# Altium PCB PCB.PcbDoc (part 10 of 11) (continued)
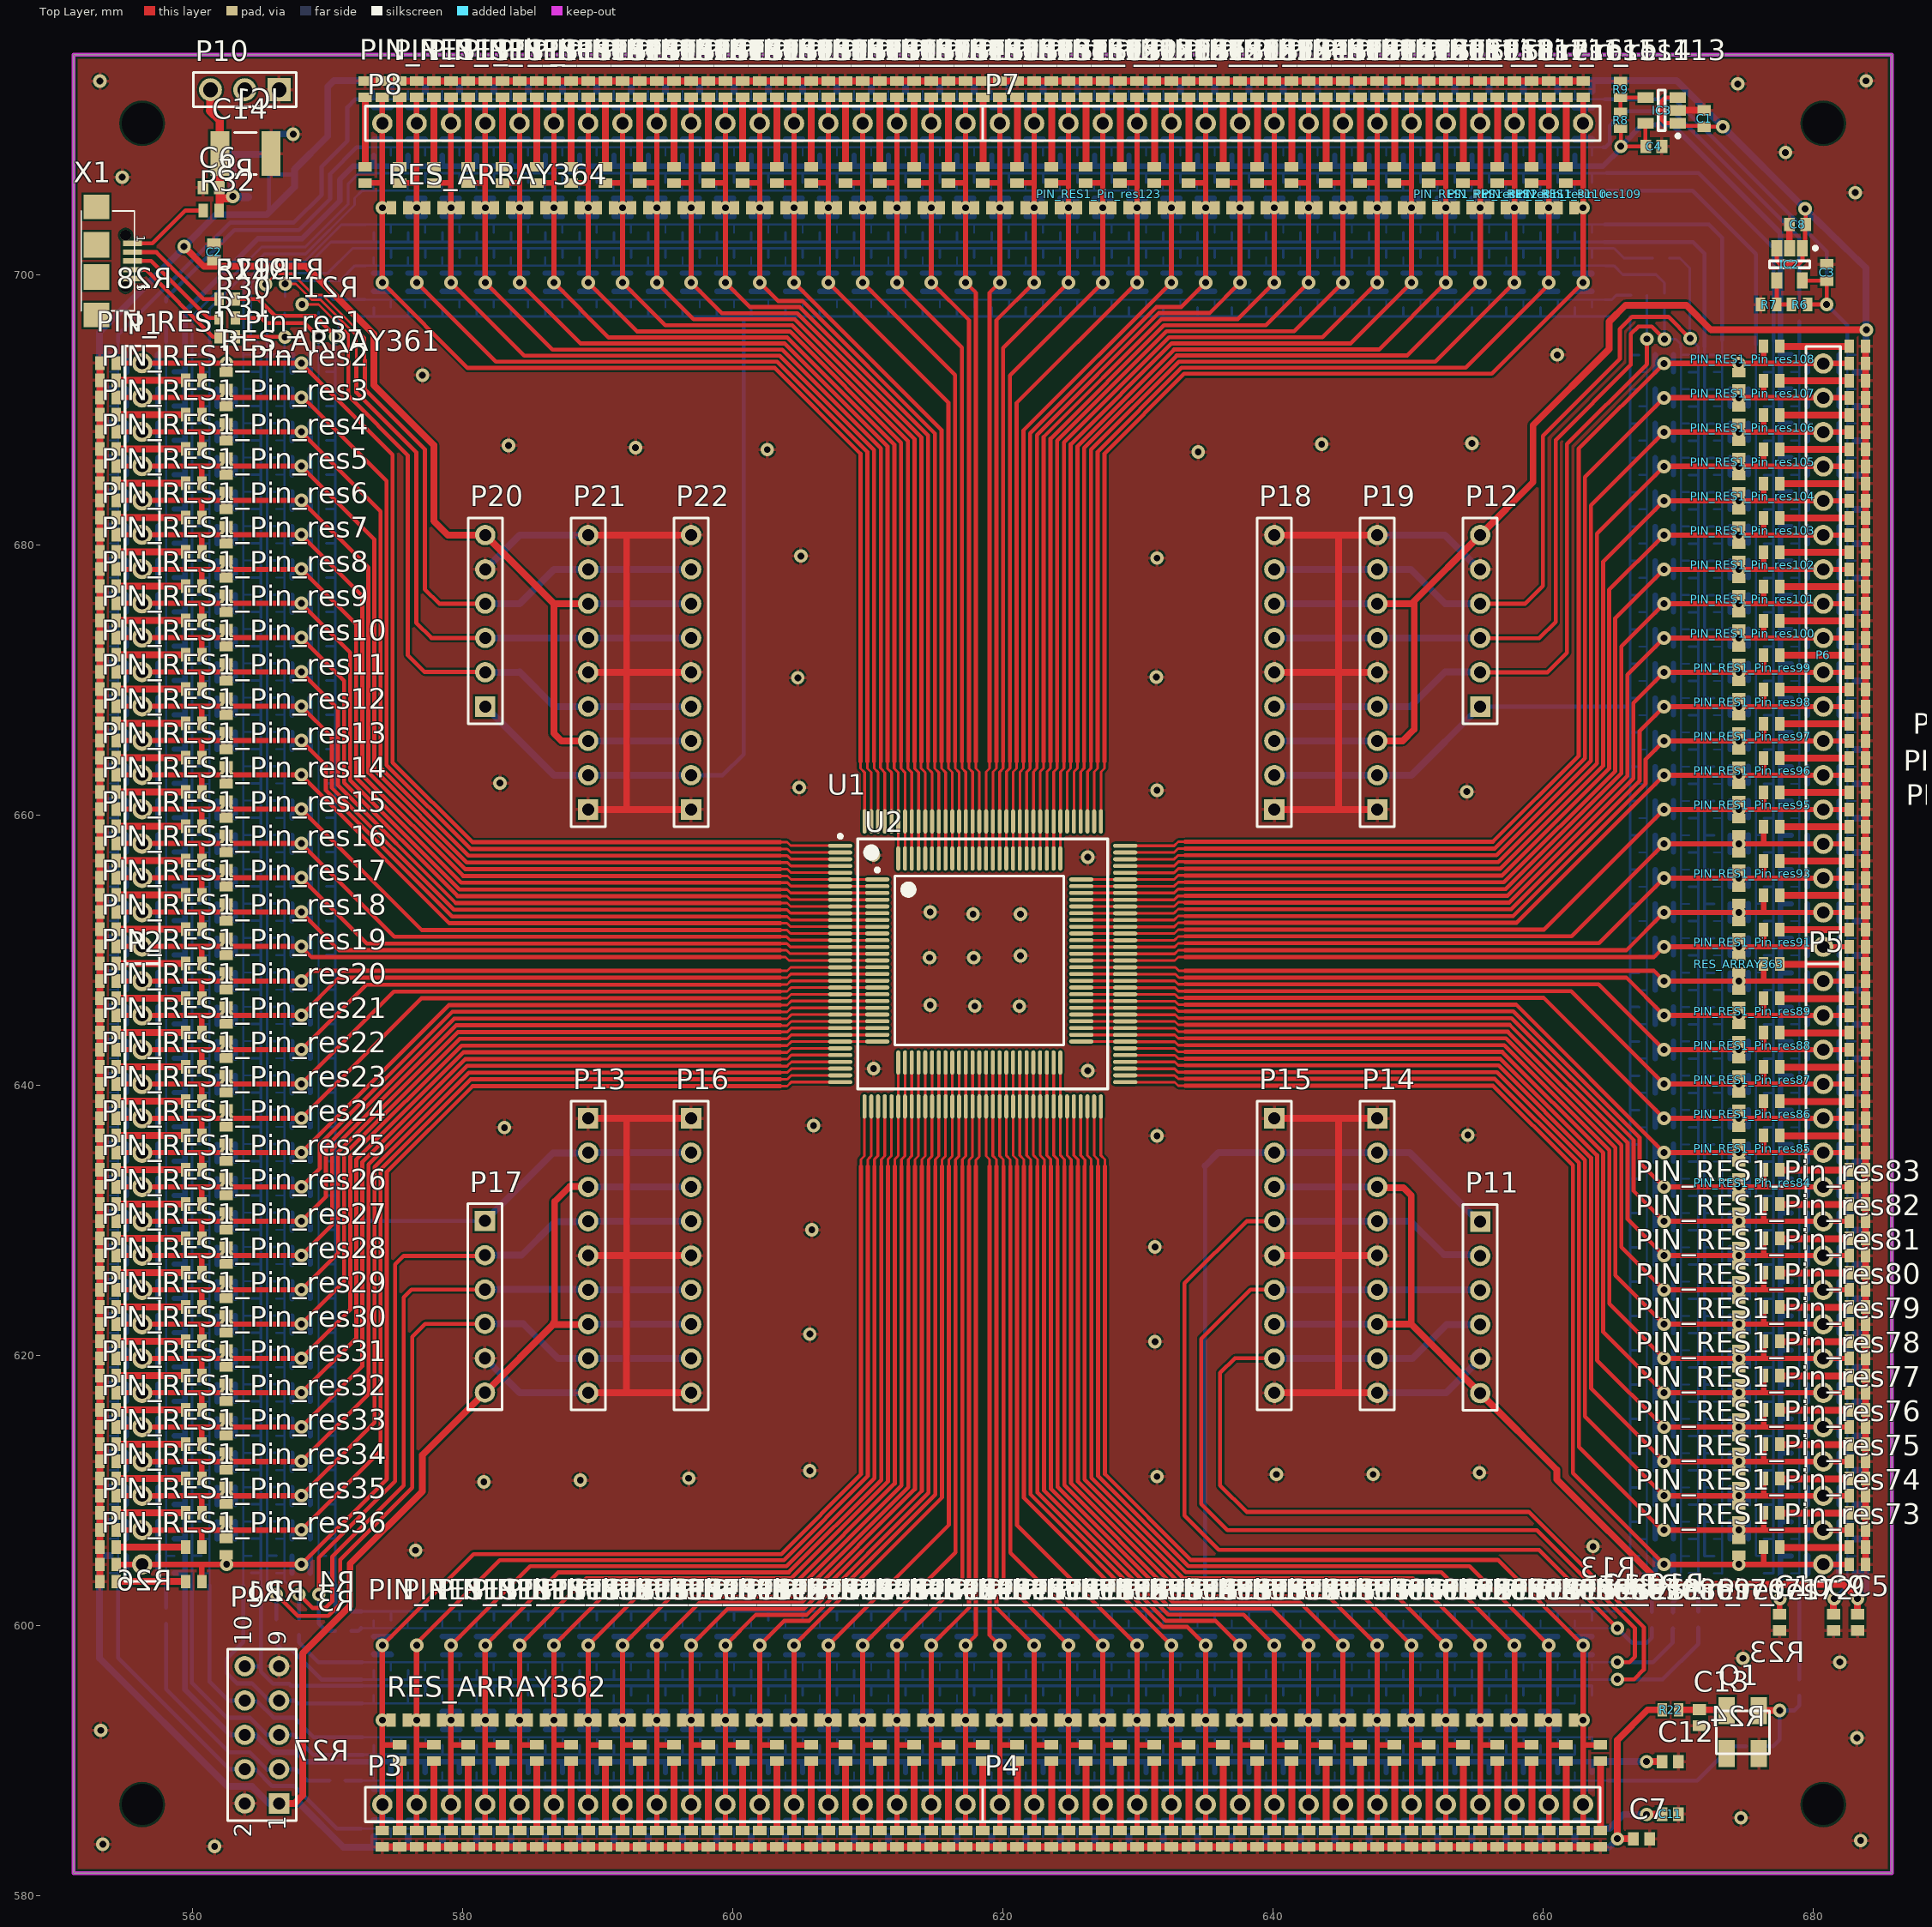
[diagram p0: Top Layer view]
## Nets (pads, with @x,y where several pads share a name; then routed paths per layer and width w, separated by ;. In a path a pad name is that pad's centre, name@x,y a point inside that pad or via, vN(x,y) a via of type N, cw(c..) or ccw(c..) an arc to the next point about the centre after c; other vN are vias at no path point) (continued)
  Top Layer w0.2: U2.86@619.236,656.774 619.24,656.778 U1.125@619.24,659.52 619.252,659.532 619.252,663.194 619.506,663.448 619.506,663.956
  Top Layer w0.3: 619.506,663.956 619.506,696.62 v1(622.3,699.414)
  Top Layer w0.4: PIN_RES1_Pin_res125.14@621.03,706.79 622.265,706.79 622.3,706.755 ; v1(622.3,699.414) v1(622.3,704.952) 622.3,706.755 ; PIN_RES1_Pin_res125.14@622.3,713.14 P7.17@622.3,711.2 622.3,706.755
  Bottom Layer w0.4: PIN_RES1_Pin_res125.14@621.665,700.11 622.3,700.11 ; PIN_RES1_Pin_res125.14@621.665,705.647 622.325,705.647 ; PIN_RES1_Pin_res125.14@621.69,698.77 622.325,698.77 ; PIN_RES1_Pin_res125.14@621.69,704.307 622.325,704.307 ; PIN_RES1_Pin_res125.14@621.69,710.022 622.325,710.022 ; PIN_RES1_Pin_res125.14@621.69,712.378 622.325,712.378 ; v1(622.3,699.414) 622.3,700.11 ; PIN_RES1_Pin_res125.14@622.935,700.11 622.325,700.11 ; PIN_RES1_Pin_res125.14@622.935,705.647 622.325,705.647 ; PIN_RES1_Pin_res125.14@622.96,698.77 PIN_RES1_Pin_res125.14@622.935,698.77 622.325,698.77 ; PIN_RES1_Pin_res125.14@622.96,704.307 PIN_RES1_Pin_res125.14@622.935,704.307 622.325,704.307 ; PIN_RES1_Pin_res125.14@622.96,710.022 PIN_RES1_Pin_res125.14@622.935,710.022 622.325,710.022 ; PIN_RES1_Pin_res125.14@622.96,712.378 PIN_RES1_Pin_res125.14@622.935,712.378 622.325,712.378 ; 622.3,700.11 622.325,700.11 ; 622.325,698.77 622.325,700.11 ; 622.325,704.307 622.325,705.647 ; 622.325,710.022 622.325,712.378
P126: P7.18 PIN_RES1_Pin_res126.14 RES_ARRAY364.18 U1.126 U2.87 | length 71.4
  Top Layer w0.2: U2.87@618.736,656.774 618.74,656.778 U1.126@618.74,659.52 618.74,663.19 618.998,663.448 618.998,663.956
  Top Layer w0.3: 618.998,663.956 618.998,698.652 v1(619.76,699.414)
  Top Layer w0.4: PIN_RES1_Pin_res126.14@618.49,706.79 619.725,706.79 619.76,706.755 ; v1(619.76,699.414) v1(619.76,704.952) 619.76,706.755 ; PIN_RES1_Pin_res126.14@619.76,713.14 P7.18@619.76,711.2 619.76,706.755
  Bottom Layer w0.4: PIN_RES1_Pin_res126.14@619.125,700.11 619.76,700.11 ; PIN_RES1_Pin_res126.14@619.125,705.647 619.785,705.647 ; PIN_RES1_Pin_res126.14@619.15,698.77 619.785,698.77 ; PIN_RES1_Pin_res126.14@619.15,704.307 619.785,704.307 ; PIN_RES1_Pin_res126.14@619.15,710.022 619.785,710.022 ; PIN_RES1_Pin_res126.14@619.15,712.378 619.785,712.378 ; v1(619.76,699.414) 619.76,700.11 ; PIN_RES1_Pin_res126.14@620.395,700.11 619.785,700.11 ; PIN_RES1_Pin_res126.14@620.395,705.647 619.785,705.647 ; PIN_RES1_Pin_res126.14@620.42,698.77 PIN_RES1_Pin_res126.14@620.395,698.77 619.785,698.77 ; PIN_RES1_Pin_res126.14@620.42,704.307 PIN_RES1_Pin_res126.14@620.395,704.307 619.785,704.307 ; PIN_RES1_Pin_res126.14@620.42,710.022 PIN_RES1_Pin_res126.14@620.395,710.022 619.785,710.022 ; PIN_RES1_Pin_res126.14@620.42,712.378 PIN_RES1_Pin_res126.14@620.395,712.378 619.785,712.378 ; 619.76,700.11 619.785,700.11 ; 619.785,698.77 619.785,700.11 ; 619.785,704.307 619.785,705.647 ; 619.785,710.022 619.785,711.2 619.785,712.378
P127: P8.1 PIN_RES1_Pin_res127.14 RES_ARRAY364.19 U1.127 U2.88 | length 70.7
  Top Layer w0.2: 617.982,663.956 617.982,663.448 618.24,663.19 U1.127@618.24,659.52 618.24,656.778 U2.88@618.236,656.774
  Top Layer w0.3: v1(617.22,699.414) 617.982,698.652 617.982,663.956
  Top Layer w0.4: PIN_RES1_Pin_res127.14@615.95,706.79 617.185,706.79 617.22,706.755 ; v1(617.22,699.414) v1(617.22,704.952) 617.22,706.755 ; PIN_RES1_Pin_res127.14@617.22,713.14 P8.1@617.22,711.2 617.22,706.755
  Bottom Layer w0.4: PIN_RES1_Pin_res127.14@616.56,700.11 617.22,700.11 ; PIN_RES1_Pin_res127.14@616.56,705.647 617.22,705.647 ; PIN_RES1_Pin_res127.14@616.585,698.77 617.22,698.77 ; PIN_RES1_Pin_res127.14@616.585,704.307 617.22,704.307 ; PIN_RES1_Pin_res127.14@616.585,710.022 617.22,710.022 ; PIN_RES1_Pin_res127.14@616.585,712.378 617.22,712.378 ; PIN_RES1_Pin_res127.14@617.83,700.11 617.22,700.11 ; PIN_RES1_Pin_res127.14@617.83,705.647 617.22,705.647 ; PIN_RES1_Pin_res127.14@617.855,698.77 617.22,698.77 ; PIN_RES1_Pin_res127.14@617.855,704.307 617.22,704.307 ; PIN_RES1_Pin_res127.14@617.855,710.022 617.22,710.022 ; PIN_RES1_Pin_res127.14@617.855,712.378 617.22,712.378 ; 617.22,698.77 v1(617.22,699.414) 617.22,700.11 ; 617.22,704.307 v1(617.22,704.952) 617.22,705.647 ; 617.22,710.022 P8.1@617.22,711.2 617.22,712.378
P128: P8.2 PIN_RES1_Pin_res128.14 RES_ARRAY364.20 U1.128 U2.89 | length 71.6
  Top Layer w0.2: 617.474,663.956 617.474,663.448 617.74,663.182 U1.128@617.74,659.52 617.74,656.778 U2.89@617.736,656.774
  Top Layer w0.3: v1(614.68,699.414) 617.474,696.62 617.474,663.956
  Top Layer w0.4: PIN_RES1_Pin_res128.14@613.41,706.79 614.645,706.79 614.68,706.755 ; v1(614.68,699.414) v1(614.68,704.952) 614.68,706.755 ; PIN_RES1_Pin_res128.14@614.68,713.14 P8.2@614.68,711.2 614.68,706.755
  Bottom Layer w0.4: PIN_RES1_Pin_res128.14@614.02,700.11 614.68,700.11 ; PIN_RES1_Pin_res128.14@614.02,705.647 614.68,705.647 ; PIN_RES1_Pin_res128.14@614.045,698.77 614.68,698.77 ; PIN_RES1_Pin_res128.14@614.045,704.307 614.68,704.307 ; PIN_RES1_Pin_res128.14@614.045,710.022 614.68,710.022 ; PIN_RES1_Pin_res128.14@614.045,712.378 614.68,712.378 ; PIN_RES1_Pin_res128.14@615.29,700.11 614.68,700.11 ; PIN_RES1_Pin_res128.14@615.29,705.647 614.68,705.647 ; PIN_RES1_Pin_res128.14@615.315,698.77 614.68,698.77 ; PIN_RES1_Pin_res128.14@615.315,704.307 614.68,704.307 ; PIN_RES1_Pin_res128.14@615.315,710.022 614.68,710.022 ; PIN_RES1_Pin_res128.14@615.315,712.378 614.68,712.378 ; 614.68,698.77 v1(614.68,699.414) 614.68,700.11 ; 614.68,704.307 v1(614.68,704.952) 614.68,705.647 ; 614.68,710.022 P8.2@614.68,711.2 614.68,712.378
P129: P8.3 PIN_RES1_Pin_res129.14 RES_ARRAY364.21 U1.129 U2.90 | length 72.4
  Top Layer w0.2: 616.966,663.956 616.966,663.448 617.24,663.174 U1.129@617.24,659.52 617.24,656.778 U2.90@617.236,656.774
  Top Layer w0.3: v1(612.14,699.414) 616.95,694.604 616.95,663.956
  Top Layer w0.4: PIN_RES1_Pin_res129.14@610.87,706.79 612.105,706.79 612.14,706.755 ; v1(612.14,699.414) v1(612.14,704.952) 612.14,706.755 ; PIN_RES1_Pin_res129.14@612.14,713.14 P8.3@612.14,711.2 612.14,706.755
  Bottom Layer w0.4: PIN_RES1_Pin_res129.14@611.48,700.11 612.14,700.11 ; PIN_RES1_Pin_res129.14@611.48,705.647 612.14,705.647 ; PIN_RES1_Pin_res129.14@611.505,698.77 612.14,698.77 ; PIN_RES1_Pin_res129.14@611.505,704.307 612.14,704.307 ; PIN_RES1_Pin_res129.14@611.505,710.022 612.14,710.022 ; PIN_RES1_Pin_res129.14@611.505,712.378 612.14,712.378 ; PIN_RES1_Pin_res129.14@612.75,700.11 612.14,700.11 ; PIN_RES1_Pin_res129.14@612.75,705.647 612.14,705.647 ; PIN_RES1_Pin_res129.14@612.775,698.77 612.14,698.77 ; PIN_RES1_Pin_res129.14@612.775,704.307 612.14,704.307 ; PIN_RES1_Pin_res129.14@612.775,710.022 612.14,710.022 ; PIN_RES1_Pin_res129.14@612.775,712.378 612.14,712.378 ; 612.14,698.77 v1(612.14,699.414) 612.14,700.11 ; 612.14,704.307 v1(612.14,704.952) 612.14,705.647 ; 612.14,710.022 P8.3@612.14,711.2 612.14,712.378
P130: P8.4 PIN_RES1_Pin_res130.14 RES_ARRAY364.22 U1.130 U2.91 | length 73.3
  Top Layer w0.2: 616.458,663.956 616.458,663.448 616.74,663.166 U1.130@616.74,659.52 616.74,656.778 U2.91@616.736,656.774
  Top Layer w0.3: v1(609.6,699.414) 616.442,692.572 616.442,663.956
  Top Layer w0.4: PIN_RES1_Pin_res130.14@608.33,706.79 609.565,706.79 609.6,706.755 ; v1(609.6,699.414) v1(609.6,704.952) 609.6,706.755 ; PIN_RES1_Pin_res130.14@609.6,713.14 P8.4@609.6,711.2 609.6,706.755
  Bottom Layer w0.4: PIN_RES1_Pin_res130.14@608.94,700.11 609.6,700.11 ; PIN_RES1_Pin_res130.14@608.94,705.647 609.6,705.647 ; PIN_RES1_Pin_res130.14@608.965,698.77 609.6,698.77 ; PIN_RES1_Pin_res130.14@608.965,704.307 609.6,704.307 ; PIN_RES1_Pin_res130.14@608.965,710.022 609.6,710.022 ; PIN_RES1_Pin_res130.14@608.965,712.378 609.6,712.378 ; PIN_RES1_Pin_res130.14@610.21,700.11 609.6,700.11 ; PIN_RES1_Pin_res130.14@610.21,705.647 609.6,705.647 ; PIN_RES1_Pin_res130.14@610.235,698.77 609.6,698.77 ; PIN_RES1_Pin_res130.14@610.235,704.307 609.6,704.307 ; PIN_RES1_Pin_res130.14@610.235,710.022 609.6,710.022 ; PIN_RES1_Pin_res130.14@610.235,712.378 609.6,712.378 ; 609.6,698.77 v1(609.6,699.414) 609.6,700.11 ; 609.6,704.307 v1(609.6,704.952) 609.6,705.647 ; 609.6,710.022 P8.4@609.6,711.2 609.6,712.378
P131: P8.5 PIN_RES1_Pin_res131.14 RES_ARRAY364.23 U1.131 U2.92 | length 74.1
  Top Layer w0.2: 615.95,663.956 615.95,663.448 616.24,663.158 U1.131@616.24,659.52 616.24,656.778 U2.92@616.236,656.774
  Top Layer w0.3: v1(607.06,699.414) 615.95,690.524 615.95,663.956
  Top Layer w0.4: PIN_RES1_Pin_res131.14@605.79,706.79 607.025,706.79 607.06,706.755 ; v1(607.06,699.414) v1(607.06,704.952) 607.06,706.755 ; PIN_RES1_Pin_res131.14@607.06,713.14 P8.5@607.06,711.2 607.06,706.755
  Bottom Layer w0.4: PIN_RES1_Pin_res131.14@606.4,700.11 607.06,700.11 ; PIN_RES1_Pin_res131.14@606.4,705.647 607.06,705.647 ; PIN_RES1_Pin_res131.14@606.425,698.77 607.06,698.77 ; PIN_RES1_Pin_res131.14@606.425,704.307 607.06,704.307 ; PIN_RES1_Pin_res131.14@606.425,710.022 607.06,710.022 ; PIN_RES1_Pin_res131.14@606.425,712.378 607.06,712.378 ; PIN_RES1_Pin_res131.14@607.67,700.11 607.06,700.11 ; PIN_RES1_Pin_res131.14@607.67,705.647 607.06,705.647 ; PIN_RES1_Pin_res131.14@607.695,698.77 607.06,698.77 ; PIN_RES1_Pin_res131.14@607.695,704.307 607.06,704.307 ; PIN_RES1_Pin_res131.14@607.695,710.022 607.06,710.022 ; PIN_RES1_Pin_res131.14@607.695,712.378 607.06,712.378 ; 607.06,698.77 v1(607.06,699.414) 607.06,700.11 ; 607.06,704.307 v1(607.06,704.952) 607.06,705.647 ; 607.06,710.022 P8.5@607.06,711.2 607.06,712.378
P132: P8.6 PIN_RES1_Pin_res132.14 RES_ARRAY364.24 U1.132 U2.93 | length 75
  Top Layer w0.2: 615.442,663.956 615.442,663.448 615.74,663.15 U1.132@615.74,659.52 615.74,656.778 U2.93@615.736,656.774
  Top Layer w0.3: v1(604.52,699.414) 615.442,688.492 615.442,663.956
  Top Layer w0.4: PIN_RES1_Pin_res132.14@603.25,706.79 604.485,706.79 604.52,706.755 ; v1(604.52,699.414) v1(604.52,704.952) 604.52,706.755 ; PIN_RES1_Pin_res132.14@604.52,713.14 P8.6@604.52,711.2 604.52,706.755
  Bottom Layer w0.4: PIN_RES1_Pin_res132.14@603.86,700.11 604.52,700.11 ; PIN_RES1_Pin_res132.14@603.86,705.647 604.52,705.647 ; PIN_RES1_Pin_res132.14@603.885,698.77 604.52,698.77 ; PIN_RES1_Pin_res132.14@603.885,704.307 604.52,704.307 ; PIN_RES1_Pin_res132.14@603.885,710.022 604.52,710.022 ; PIN_RES1_Pin_res132.14@603.885,712.378 604.52,712.378 ; PIN_RES1_Pin_res132.14@605.13,700.11 604.52,700.11 ; PIN_RES1_Pin_res132.14@605.13,705.647 604.52,705.647 ; PIN_RES1_Pin_res132.14@605.155,698.77 604.52,698.77 ; PIN_RES1_Pin_res132.14@605.155,704.307 604.52,704.307 ; PIN_RES1_Pin_res132.14@605.155,710.022 604.52,710.022 ; PIN_RES1_Pin_res132.14@605.155,712.378 604.52,712.378 ; 604.52,698.77 v1(604.52,699.414) 604.52,700.11 ; 604.52,704.307 v1(604.52,704.952) 604.52,705.647 ; 604.52,710.022 P8.6@604.52,711.2 604.52,712.378
P133: P8.7 PIN_RES1_Pin_res133.14 RES_ARRAY364.25 U1.133 U2.94 | length 76.9
  Top Layer w0.2: 614.934,663.956 614.934,663.448 615.24,663.142 U1.133@615.24,659.52 615.24,656.778 U2.94@615.236,656.774
  Top Layer w0.3: v1(601.98,699.414) 603.347,698.047 605.141,698.047 614.95,688.238 614.95,663.956
  Top Layer w0.4: PIN_RES1_Pin_res133.14@600.71,706.79 601.945,706.79 601.98,706.755 ; v1(601.98,699.414) v1(601.98,704.952) 601.98,706.755 ; PIN_RES1_Pin_res133.14@601.98,713.14 P8.7@601.98,711.2 601.98,706.755
  Bottom Layer w0.4: PIN_RES1_Pin_res133.14@601.32,700.11 601.98,700.11 ; PIN_RES1_Pin_res133.14@601.32,705.647 601.98,705.647 ; PIN_RES1_Pin_res133.14@601.345,698.77 601.98,698.77 ; PIN_RES1_Pin_res133.14@601.345,704.307 601.98,704.307 ; PIN_RES1_Pin_res133.14@601.345,710.022 601.98,710.022 ; PIN_RES1_Pin_res133.14@601.345,712.378 601.98,712.378 ; PIN_RES1_Pin_res133.14@602.59,700.11 601.98,700.11 ; PIN_RES1_Pin_res133.14@602.59,705.647 601.98,705.647 ; PIN_RES1_Pin_res133.14@602.615,698.77 601.98,698.77 ; PIN_RES1_Pin_res133.14@602.615,704.307 601.98,704.307 ; PIN_RES1_Pin_res133.14@602.615,710.022 601.98,710.022 ; PIN_RES1_Pin_res133.14@602.615,712.378 601.98,712.378 ; 601.98,698.77 v1(601.98,699.414) 601.98,700.11 ; 601.98,704.307 v1(601.98,704.952) 601.98,705.647 ; 601.98,710.022 P8.7@601.98,711.2 601.98,712.378
P134: P8.8 PIN_RES1_Pin_res134.14 RES_ARRAY364.26 U1.134 U2.95 | length 78.8
  Top Layer w0.2: 614.426,663.956 614.426,663.448 614.74,663.134 U1.134@614.74,659.52 614.74,656.853 U2.95@614.731,656.844
  Top Layer w0.3: v1(599.44,699.414) 601.257,697.597 604.954,697.597 614.442,688.109 614.442,663.956
  Top Layer w0.4: PIN_RES1_Pin_res134.14@598.17,706.79 599.405,706.79 599.44,706.755 ; v1(599.44,699.414) v1(599.44,704.952) 599.44,706.755 ; PIN_RES1_Pin_res134.14@599.44,713.14 P8.8@599.44,711.2 599.44,706.755
  Bottom Layer w0.4: PIN_RES1_Pin_res134.14@598.78,700.11 599.44,700.11 ; PIN_RES1_Pin_res134.14@598.78,705.647 599.44,705.647 ; PIN_RES1_Pin_res134.14@598.805,698.77 599.44,698.77 ; PIN_RES1_Pin_res134.14@598.805,704.307 599.44,704.307 ; PIN_RES1_Pin_res134.14@598.805,710.022 599.44,710.022 ; PIN_RES1_Pin_res134.14@598.805,712.378 599.44,712.378 ; PIN_RES1_Pin_res134.14@600.05,700.11 599.44,700.11 ; PIN_RES1_Pin_res134.14@600.05,705.647 599.44,705.647 ; PIN_RES1_Pin_res134.14@600.075,698.77 599.44,698.77 ; PIN_RES1_Pin_res134.14@600.075,704.307 599.44,704.307 ; PIN_RES1_Pin_res134.14@600.075,710.022 599.44,710.022 ; PIN_RES1_Pin_res134.14@600.075,712.378 599.44,712.378 ; 599.44,698.77 v1(599.44,699.414) 599.44,700.11 ; 599.44,704.307 v1(599.44,704.952) 599.44,705.647 ; 599.44,710.022 P8.8@599.44,711.2 599.44,712.378
P135: P8.9 PIN_RES1_Pin_res135.14 RES_ARRAY364.27 U1.135 U2.96 | length 80.8
  Top Layer w0.2: 613.918,663.956 613.918,663.46 614.24,663.138 U1.135@614.24,659.52 614.24,656.778 U2.96@614.236,656.774
  Top Layer w0.3: v1(596.9,699.414) 599.167,697.147 604.768,697.147 613.95,687.965 613.95,663.956
  Top Layer w0.4: PIN_RES1_Pin_res135.14@595.63,706.79 596.865,706.79 596.9,706.755 ; v1(596.9,699.414) v1(596.9,704.952) 596.9,706.755 ; PIN_RES1_Pin_res135.14@596.9,713.14 P8.9@596.9,711.2 596.9,706.755
  Bottom Layer w0.4: PIN_RES1_Pin_res135.14@596.24,700.11 596.9,700.11 ; PIN_RES1_Pin_res135.14@596.24,705.647 596.9,705.647 ; PIN_RES1_Pin_res135.14@596.265,698.77 596.9,698.77 ; PIN_RES1_Pin_res135.14@596.265,704.307 596.9,704.307 ; PIN_RES1_Pin_res135.14@596.265,710.022 596.9,710.022 ; PIN_RES1_Pin_res135.14@596.265,712.378 596.9,712.378 ; PIN_RES1_Pin_res135.14@597.51,700.11 596.9,700.11 ; PIN_RES1_Pin_res135.14@597.51,705.647 596.9,705.647 ; PIN_RES1_Pin_res135.14@597.535,698.77 596.9,698.77 ; PIN_RES1_Pin_res135.14@597.535,704.307 596.9,704.307 ; PIN_RES1_Pin_res135.14@597.535,710.022 596.9,710.022 ; PIN_RES1_Pin_res135.14@597.535,712.378 596.9,712.378 ; 596.9,698.77 v1(596.9,699.414) 596.9,700.11 ; 596.9,704.307 v1(596.9,704.952) 596.9,705.647 ; 596.9,710.022 P8.9@596.9,711.2 596.9,712.378
P136: P8.10 PIN_RES1_Pin_res136.14 RES_ARRAY364.28 U1.136 U2.97 | length 82.7
  Top Layer w0.2: 613.458,663.956 613.458,663.425 613.74,663.143 U1.136@613.74,659.52 613.74,656.778 U2.97@613.736,656.774
  Top Layer w0.3: v1(594.36,699.414) 597.077,696.697 604.582,696.697 613.442,687.837 613.442,663.956
  Top Layer w0.4: PIN_RES1_Pin_res136.14@593.09,706.79 594.325,706.79 594.36,706.755 ; v1(594.36,699.414) v1(594.36,704.952) 594.36,706.755 ; PIN_RES1_Pin_res136.14@594.36,713.14 P8.10@594.36,711.2 594.36,706.755
  Bottom Layer w0.4: PIN_RES1_Pin_res136.14@593.7,700.11 594.36,700.11 ; PIN_RES1_Pin_res136.14@593.7,705.647 594.36,705.647 ; PIN_RES1_Pin_res136.14@593.725,698.77 594.36,698.77 ; PIN_RES1_Pin_res136.14@593.725,704.307 594.36,704.307 ; PIN_RES1_Pin_res136.14@593.725,710.022 594.36,710.022 ; PIN_RES1_Pin_res136.14@593.725,712.378 594.36,712.378 ; PIN_RES1_Pin_res136.14@594.97,700.11 594.36,700.11 ; PIN_RES1_Pin_res136.14@594.97,705.647 594.36,705.647 ; PIN_RES1_Pin_res136.14@594.995,698.77 594.36,698.77 ; PIN_RES1_Pin_res136.14@594.995,704.307 594.36,704.307 ; PIN_RES1_Pin_res136.14@594.995,710.022 594.36,710.022 ; PIN_RES1_Pin_res136.14@594.995,712.378 594.36,712.378 ; 594.36,698.77 v1(594.36,699.414) 594.36,700.11 ; 594.36,704.307 v1(594.36,704.952) 594.36,705.647 ; 594.36,710.022 P8.10@594.36,711.2 594.36,712.378
P137: P8.11 PIN_RES1_Pin_res137.14 RES_ARRAY364.29 U1.137 U2.98 | length 84.7
  Top Layer w0.2: 612.95,663.956 612.95,663.438 613.24,663.148 U1.137@613.24,659.52 613.24,656.778 U2.98@613.236,656.774
  Top Layer w0.3: v1(591.82,699.414) 594.987,696.247 604.395,696.247 612.95,687.692 612.95,663.956
  Top Layer w0.4: PIN_RES1_Pin_res137.14@590.55,706.79 591.785,706.79 591.82,706.755 ; v1(591.82,699.414) v1(591.82,704.952) 591.82,706.755 ; PIN_RES1_Pin_res137.14@591.82,713.14 P8.11@591.82,711.2 591.82,706.755
  Bottom Layer w0.4: PIN_RES1_Pin_res137.14@591.16,700.11 591.82,700.11 ; PIN_RES1_Pin_res137.14@591.16,705.647 591.82,705.647 ; PIN_RES1_Pin_res137.14@591.185,698.77 591.82,698.77 ; PIN_RES1_Pin_res137.14@591.185,704.307 591.82,704.307 ; PIN_RES1_Pin_res137.14@591.185,710.022 591.82,710.022 ; PIN_RES1_Pin_res137.14@591.185,712.378 591.82,712.378 ; PIN_RES1_Pin_res137.14@592.43,700.11 591.82,700.11 ; PIN_RES1_Pin_res137.14@592.43,705.647 591.82,705.647 ; PIN_RES1_Pin_res137.14@592.455,698.77 591.82,698.77 ; PIN_RES1_Pin_res137.14@592.455,704.307 591.82,704.307 ; PIN_RES1_Pin_res137.14@592.455,710.022 591.82,710.022 ; PIN_RES1_Pin_res137.14@592.455,712.378 591.82,712.378 ; 591.82,698.77 v1(591.82,699.414) 591.82,700.11 ; 591.82,704.307 v1(591.82,704.952) 591.82,705.647 ; 591.82,710.022 P8.11@591.82,711.2 591.82,712.378
P138: P8.12 PIN_RES1_Pin_res138.14 RES_ARRAY364.30 U1.138 U2.99 | length 86.7
  Top Layer w0.2: 612.442,663.956 612.442,663.448 612.74,663.15 U1.138@612.74,659.52 612.74,656.778 U2.99@612.736,656.774
  Top Layer w0.3: v1(589.28,699.414) 592.897,695.797 604.209,695.797 612.442,687.564 612.442,663.956
  Top Layer w0.4: PIN_RES1_Pin_res138.14@588.01,706.79 589.245,706.79 589.28,706.755 ; v1(589.28,699.414) v1(589.28,704.952) 589.28,706.755 ; PIN_RES1_Pin_res138.14@589.28,713.14 P8.12@589.28,711.2 589.28,706.755
  Bottom Layer w0.4: PIN_RES1_Pin_res138.14@588.62,700.11 589.28,700.11 ; PIN_RES1_Pin_res138.14@588.62,705.647 589.28,705.647 ; PIN_RES1_Pin_res138.14@588.645,698.77 589.28,698.77 ; PIN_RES1_Pin_res138.14@588.645,704.307 589.28,704.307 ; PIN_RES1_Pin_res138.14@588.645,710.022 589.28,710.022 ; PIN_RES1_Pin_res138.14@588.645,712.378 589.28,712.378 ; PIN_RES1_Pin_res138.14@589.89,700.11 589.28,700.11 ; PIN_RES1_Pin_res138.14@589.89,705.647 589.28,705.647 ; PIN_RES1_Pin_res138.14@589.915,698.77 589.28,698.77 ; PIN_RES1_Pin_res138.14@589.915,704.307 589.28,704.307 ; PIN_RES1_Pin_res138.14@589.915,710.022 589.28,710.022 ; PIN_RES1_Pin_res138.14@589.915,712.378 589.28,712.378 ; 589.28,698.77 v1(589.28,699.414) 589.28,700.11 ; 589.28,704.307 v1(589.28,704.952) 589.28,705.647 ; 589.28,710.022 P8.12@589.28,711.2 589.28,712.378
P139: P8.13 PIN_RES1_Pin_res139.14 RES_ARRAY364.31 U1.139 U2.100 | length 88.6
  Top Layer w0.2: 611.934,663.956 611.934,663.448 612.24,663.142 U1.139@612.24,659.52 612.24,656.778 U2.100@612.236,656.774
  Top Layer w0.3: v1(586.74,699.414) 590.807,695.347 604.022,695.347 611.95,687.419 611.95,663.956
  Top Layer w0.4: PIN_RES1_Pin_res139.14@585.47,706.79 586.705,706.79 586.74,706.755 ; v1(586.74,699.414) v1(586.74,704.952) 586.74,706.755 ; PIN_RES1_Pin_res139.14@586.74,713.14 P8.13@586.74,711.2 586.74,706.755
  Bottom Layer w0.4: PIN_RES1_Pin_res139.14@586.08,700.11 586.74,700.11 ; PIN_RES1_Pin_res139.14@586.08,705.647 586.74,705.647 ; PIN_RES1_Pin_res139.14@586.105,698.77 586.74,698.77 ; PIN_RES1_Pin_res139.14@586.105,704.307 586.74,704.307 ; PIN_RES1_Pin_res139.14@586.105,710.022 586.74,710.022 ; PIN_RES1_Pin_res139.14@586.105,712.378 586.74,712.378 ; PIN_RES1_Pin_res139.14@587.35,700.11 586.74,700.11 ; PIN_RES1_Pin_res139.14@587.35,705.647 586.74,705.647 ; PIN_RES1_Pin_res139.14@587.375,698.77 586.74,698.77 ; PIN_RES1_Pin_res139.14@587.375,704.307 586.74,704.307 ; PIN_RES1_Pin_res139.14@587.375,710.022 586.74,710.022 ; PIN_RES1_Pin_res139.14@587.375,712.378 586.74,712.378 ; 586.74,698.77 v1(586.74,699.414) 586.74,700.11 ; 586.74,704.307 v1(586.74,704.952) 586.74,705.647 ; 586.74,710.022 P8.13@586.74,711.2 586.74,712.378
P140: P8.14 PIN_RES1_Pin_res140.14 RES_ARRAY364.32 U1.140 | length 87.8
  Top Layer w0.2: 611.426,663.956 611.44,663.942 611.44,663.434 611.74,663.134 U1.140@611.74,659.52
  Top Layer w0.3: v1(584.2,699.414) 588.717,694.897 603.836,694.897 611.442,687.291 611.442,663.956
  Top Layer w0.4: PIN_RES1_Pin_res140.14@582.93,706.79 584.165,706.79 584.2,706.755 ; v1(584.2,699.414) v1(584.2,704.952) 584.2,706.755 ; PIN_RES1_Pin_res140.14@584.2,713.14 P8.14@584.2,711.2 584.2,706.755
  Bottom Layer w0.4: PIN_RES1_Pin_res140.14@583.54,700.11 584.2,700.11 ; PIN_RES1_Pin_res140.14@583.54,705.647 584.2,705.647 ; PIN_RES1_Pin_res140.14@583.565,698.77 584.2,698.77 ; PIN_RES1_Pin_res140.14@583.565,704.307 584.2,704.307 ; PIN_RES1_Pin_res140.14@583.565,710.022 584.2,710.022 ; PIN_RES1_Pin_res140.14@583.565,712.378 584.2,712.378 ; PIN_RES1_Pin_res140.14@584.81,700.11 584.2,700.11 ; PIN_RES1_Pin_res140.14@584.81,705.647 584.2,705.647 ; PIN_RES1_Pin_res140.14@584.835,698.77 584.2,698.77 ; PIN_RES1_Pin_res140.14@584.835,704.307 584.2,704.307 ; PIN_RES1_Pin_res140.14@584.835,710.022 584.2,710.022 ; PIN_RES1_Pin_res140.14@584.835,712.378 584.2,712.378 ; 584.2,698.77 v1(584.2,699.414) 584.2,700.11 ; 584.2,704.307 v1(584.2,704.952) 584.2,705.647 ; 584.2,710.022 P8.14@584.2,711.2 584.2,712.378
P141: P8.15 PIN_RES1_Pin_res141.14 RES_ARRAY364.33 U1.141 | length 89.8
  Top Layer w0.2: 610.918,663.956 610.918,663.483 611.09,663.311 611.09,663.276 611.24,663.126 U1.141@611.24,659.52
  Top Layer w0.3: v1(581.66,699.414) 586.627,694.447 603.65,694.447 610.95,687.147 610.95,663.956
  Top Layer w0.4: PIN_RES1_Pin_res141.14@580.39,706.79 581.625,706.79 581.66,706.755 ; v1(581.66,699.414) v1(581.66,704.952) 581.66,706.755 ; PIN_RES1_Pin_res141.14@581.66,713.14 P8.15@581.66,711.2 581.66,706.755
  Bottom Layer w0.4: PIN_RES1_Pin_res141.14@581,700.11 581.66,700.11 ; PIN_RES1_Pin_res141.14@581,705.647 581.66,705.647 ; PIN_RES1_Pin_res141.14@581.025,698.77 581.66,698.77 ; PIN_RES1_Pin_res141.14@581.025,704.307 581.66,704.307 ; PIN_RES1_Pin_res141.14@581.025,710.022 581.66,710.022 ; PIN_RES1_Pin_res141.14@581.025,712.378 581.66,712.378 ; PIN_RES1_Pin_res141.14@582.27,700.11 581.66,700.11 ; PIN_RES1_Pin_res141.14@582.27,705.647 581.66,705.647 ; PIN_RES1_Pin_res141.14@582.295,698.77 581.66,698.77 ; PIN_RES1_Pin_res141.14@582.295,704.307 581.66,704.307 ; PIN_RES1_Pin_res141.14@582.295,710.022 581.66,710.022 ; PIN_RES1_Pin_res141.14@582.295,712.378 581.66,712.378 ; 581.66,698.77 v1(581.66,699.414) 581.66,700.11 ; 581.66,704.307 v1(581.66,704.952) 581.66,705.647 ; 581.66,710.022 P8.15@581.66,711.2 581.66,712.378
P142: P8.16 PIN_RES1_Pin_res142.14 RES_ARRAY364.34 U1.142 | length 91.7
  Top Layer w0.2: 610.458,663.956 610.458,663.448 610.74,663.166 U1.142@610.74,659.52
  Top Layer w0.3: v1(579.12,699.414) 584.537,693.997 603.463,693.997 610.442,687.018 610.442,663.956
  Top Layer w0.4: PIN_RES1_Pin_res142.14@577.85,706.79 579.085,706.79 579.12,706.755 ; v1(579.12,699.414) v1(579.12,704.952) 579.12,706.755 ; PIN_RES1_Pin_res142.14@579.12,713.14 P8.16@579.12,711.2 579.12,706.755
  Bottom Layer w0.4: PIN_RES1_Pin_res142.14@578.46,700.11 579.12,700.11 ; PIN_RES1_Pin_res142.14@578.46,705.647 579.12,705.647 ; PIN_RES1_Pin_res142.14@578.485,698.77 579.12,698.77 ; PIN_RES1_Pin_res142.14@578.485,704.307 579.12,704.307 ; PIN_RES1_Pin_res142.14@578.485,710.022 579.12,710.022 ; PIN_RES1_Pin_res142.14@578.485,712.378 579.12,712.378 ; PIN_RES1_Pin_res142.14@579.73,700.11 579.12,700.11 ; PIN_RES1_Pin_res142.14@579.73,705.647 579.12,705.647 ; PIN_RES1_Pin_res142.14@579.755,698.77 579.12,698.77 ; PIN_RES1_Pin_res142.14@579.755,704.307 579.12,704.307 ; PIN_RES1_Pin_res142.14@579.755,710.022 579.12,710.022 ; PIN_RES1_Pin_res142.14@579.755,712.378 579.12,712.378 ; 579.12,698.77 v1(579.12,699.414) 579.12,700.11 ; 579.12,704.307 v1(579.12,704.952) 579.12,705.647 ; 579.12,710.022 P8.16@579.12,711.2 579.12,712.378
P143: P8.17 PIN_RES1_Pin_res143.14 RES_ARRAY364.35 U1.143 | length 93.9
  Top Layer w0.2: 609.95,663.956 609.95,663.448 610.24,663.158 U1.143@610.24,659.52
  Top Layer w0.3: v1(576.58,699.414) 582.447,693.547 603.277,693.547 609.95,686.874 609.95,665.556 ; 609.95,663.956 609.95,665.556 ; 609.95,665.734 609.95,665.556
  Top Layer w0.4: PIN_RES1_Pin_res143.14@575.31,706.79 576.545,706.79 576.58,706.755 ; v1(576.58,699.414) v1(576.58,704.952) 576.58,706.755 ; PIN_RES1_Pin_res143.14@576.58,713.14 P8.17@576.58,711.2 576.58,706.755
  Bottom Layer w0.4: PIN_RES1_Pin_res143.14@575.92,700.11 575.945,700.11 576.58,700.11 ; PIN_RES1_Pin_res143.14@575.92,705.647 576.58,705.647 ; PIN_RES1_Pin_res143.14@575.945,698.77 576.58,698.77 ; PIN_RES1_Pin_res143.14@575.945,704.307 576.58,704.307 ; PIN_RES1_Pin_res143.14@575.945,710.022 576.58,710.022 ; PIN_RES1_Pin_res143.14@575.945,712.378 576.58,712.378 ; PIN_RES1_Pin_res143.14@577.19,700.11 576.58,700.11 ; PIN_RES1_Pin_res143.14@577.19,705.647 576.58,705.647 ; PIN_RES1_Pin_res143.14@577.215,698.77 576.58,698.77 ; PIN_RES1_Pin_res143.14@577.215,704.307 576.58,704.307 ; PIN_RES1_Pin_res143.14@577.215,710.022 576.58,710.022 ; PIN_RES1_Pin_res143.14@577.215,712.378 576.58,712.378 ; 576.58,698.77 v1(576.58,699.414) 576.58,700.059 576.58,700.11 ; 576.58,704.307 v1(576.58,704.952) 576.58,705.622 576.58,705.647 ; 576.58,710.022 P8.17@576.58,711.2 576.58,712.378
P144: P8.18 PIN_RES1_Pin_res144.14 RES_ARRAY364.36 U1.144 | length 92.5
  Top Layer w0.2: 609.442,663.956 609.442,663.448 609.74,663.15 U1.144@609.74,659.52
  Top Layer w0.3: v1(574.04,699.414) 580.365,693.09 603.098,693.09 609.442,686.745 609.442,663.956
  Top Layer w0.4: PIN_RES1_Pin_res144.14@572.77,706.79 574.005,706.79 574.04,706.755 ; v1(574.04,699.414) v1(574.04,704.952) ; PIN_RES1_Pin_res144.14@574.04,713.14 P8.18@574.04,711.2 574.04,706.755 ; RES_ARRAY364.36@574.72,704.952 v1(574.04,704.952) ; v1(574.04,704.952) 574.04,706.755
  Bottom Layer w0.4: PIN_RES1_Pin_res144.14@573.38,700.11 573.405,700.11 574.04,700.11 ; PIN_RES1_Pin_res144.14@573.405,698.77 574.04,698.77 ; PIN_RES1_Pin_res144.14@573.405,710.022 574.04,710.022 ; PIN_RES1_Pin_res144.14@573.405,712.378 574.04,712.378 ; PIN_RES1_Pin_res144.14@574.65,700.11 574.04,700.11 ; PIN_RES1_Pin_res144.14@574.675,698.77 574.04,698.77 ; PIN_RES1_Pin_res144.14@574.675,710.022 574.04,710.022 ; PIN_RES1_Pin_res144.14@574.675,712.378 574.04,712.378 ; 574.04,698.77 v1(574.04,699.414) 574.04,700.059 574.04,700.11 ; 574.04,710.022 P8.18@574.04,711.2 574.04,712.378